# KiCad board TrialAO_1_ASM.kicad_pcb (continued)
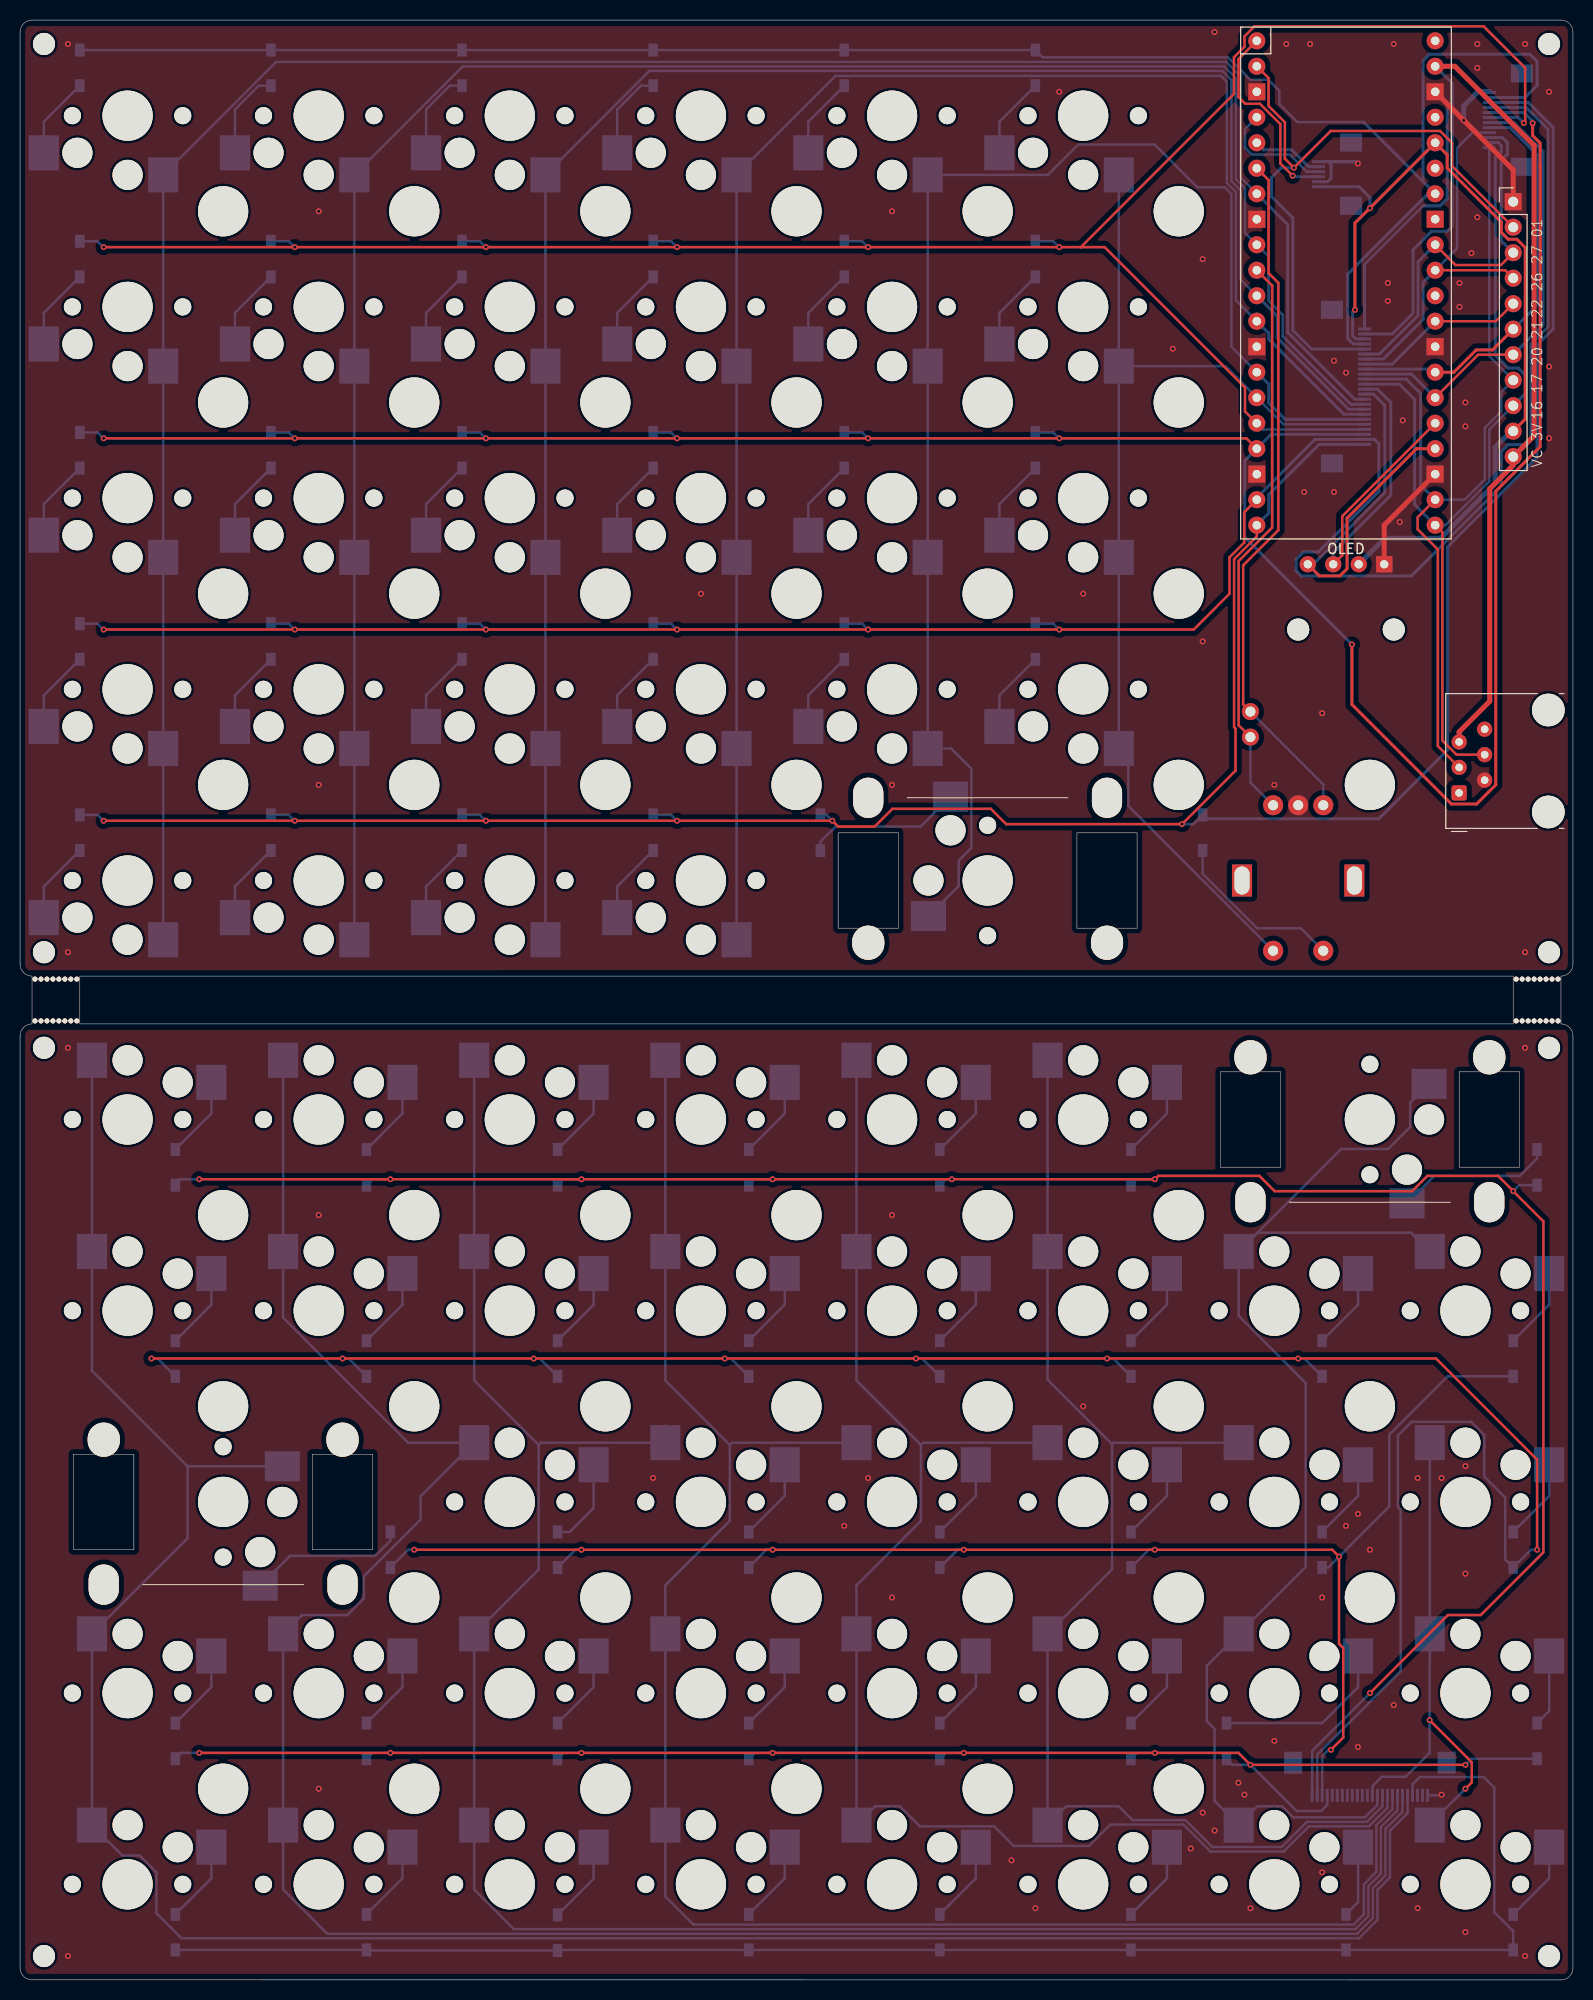
[diagram p0: board, top side]
## Footprints (pads in the part's own frame, mm; a bottom-side part is the same pattern mirrored in y, then rotated)
Diode_SMD
  rect 1.3x0.95 smd far side: 1(-1.775,0) 2(1.775,0)
Hirose_FH12-6S-0.5SH_1x06-1MP_P0.50mm_Horizontal
  rect 0.3x1.3 smd: 1(-1.25,1.85) 2(-0.75,1.85) 3(-0.25,1.85) 4(0.25,1.85) 5(0.75,1.85) 6(1.25,1.85)
  rect 1.8x2.2 smd: MP(-3.15,-1.4) MP(3.15,-1.4)
Hirose_FH12-12S-0.5SH_1x12-1MP_P0.50mm_Horizontal
  rect 1.8x2.2 smd: (-4.65,-1.4) (4.65,-1.4)
  rect 0.3x1.3 smd: 1(-2.75,1.85) 2(-2.25,1.85) 3(-1.75,1.85) 4(-1.25,1.85) 5(-0.75,1.85) 6(-0.25,1.85) 7(0.25,1.85) 8(0.75,1.85) 9(1.25,1.85) 10(1.75,1.85) 11(2.25,1.85) 12(2.75,1.85)
Hirose_FH12-24S-0.5SH_1x24-1MP_P0.50mm_Horizontal
  rect 0.3x1.3 smd: 1(-5.75,1.85) 2(-5.25,1.85) 3(-4.75,1.85) 4(-4.25,1.85) 5(-3.75,1.85) 6(-3.25,1.85) 7(-2.75,1.85) 8(-2.25,1.85) 9(-1.75,1.85) 10(-1.25,1.85) 11(-0.75,1.85) 12(-0.25,1.85) 13(0.25,1.85) 14(0.75,1.85) 15(1.25,1.85) 16(1.75,1.85) 17(2.25,1.85) 18(2.75,1.85) 19(3.25,1.85) 20(3.75,1.85) 21(4.25,1.85) 22(4.75,1.85) 23(5.25,1.85) 24(5.75,1.85)
  rect 1.8x2.2 smd: MP(-7.65,-1.4) MP(7.65,-1.4)
m2_Screw_Hole
  round 2.2 hole 2.2 unplated: (0,0)
OLED_center_display
  round 1.62 hole 0.82: 1(-3.81,-18.5) 2(-1.27,-18.5) 3(1.27,-18.5)
  rect 1.62x1.62 hole 0.82: 4(3.81,-18.5)
PinHeader_1x02_P2.54mm_Horizontal
  round 1.7 hole 1: 1(0,0) 2(0,-2.54)
PinHeader_1x11_P2.54mm_Vertical
  rect 1.7x1.7 hole 1: 1(0,0)
  round 1.7 hole 1: 2(0,-2.54) 3(0,-5.08) 4(0,-7.62) 5(0,-10.16) 6(0,-12.7) 7(0,-15.24) 8(0,-17.78) 9(0,-20.32) 10(0,-22.86) 11(0,-25.4)
RJ12_Amphenol_54601-x06_Horizontal
  round 3.25 hole 3.25 unplated: (-1.9,-8.89) (8.26,-8.89)
  rrect 1.52x1.52 hole 0.76: 1(0,0)
  round 1.52 hole 0.76: 2(1.27,-2.54) 3(2.54,0) 4(3.81,-2.54) 5(5.08,0) 6(6.35,-2.54)
rkd_5mmHole
  round 5 hole 5 unplated: (0,0)
rkd_Asm_ChocV1V2_Hotswap_1u_NM
  round 1.7 hole 1.7 unplated: (-5.5,0) (5.5,0)
  round 3 hole 3 unplated: (-5,-3.7) (0,-5.9)
  round 5 hole 5 unplated: (0,0)
  rect 3x3.5 smd far side: 1(-8.35,-3.7) 2(3.55,-5.9)
rkd_Asm_ChocV2_PCBMountStab_2uL
  oval 3.2x3.4 hole 3.2x3.4 unplated: (-11.9,6.2) (11.9,6.2)
  oval 3x4 hole 3x4 unplated: (-11.9,-8.24) (11.9,-8.24)
rkd_cutdot_no_edgecut
  round 0.5 hole 0.5 unplated: (-0.893,0) (-0.298,0) (0.297,0) (0.893,0)
rkd_Guard_Screw_Hall
  round 2.2 hole 2.2 unplated: (29.766,4.763) (29.766,-4.763)
rkd_RPi_Pico_TH_NODBG
  oval 1.7x1.7 hole 0.85: 1(-8.89,24.13) 2(-8.89,21.59) 4(-8.89,16.51) 5(-8.89,13.97) 6(-8.89,11.43) 7(-8.89,8.89) 9(-8.89,3.81) 10(-8.89,1.27) 11(-8.89,-1.27) 12(-8.89,-3.81) 14(-8.89,-8.89) 15(-8.89,-11.43) 16(-8.89,-13.97) 17(-8.89,-16.51) 19(-8.89,-21.59) 20(-8.89,-24.13) 21(8.89,-24.13) 22(8.89,-21.59) 24(8.89,-16.51) 25(8.89,-13.97) 26(8.89,-11.43) 27(8.89,-8.89) 29(8.89,-3.81) 30(8.89,-1.27) 31(8.89,1.27) 32(8.89,3.81) 34(8.89,8.89) 35(8.89,11.43) 36(8.89,13.97) 37(8.89,16.51) 39(8.89,21.59) 40(8.89,24.13)
  rect 1.7x1.7 hole 0.85: 3(-8.89,19.05) 8(-8.89,6.35) 13(-8.89,-6.35) 18(-8.89,-19.05) 23(8.89,-19.05) 28(8.89,-6.35) 33(8.89,6.35) 38(8.89,19.05)
RotaryEncoder_EC11-Switch
  round 2 hole 1: A(-2.5,-7.5) B(2.5,-7.5) C(0,-7.5) S1(-2.5,7) S2(2.5,7)
  rect 2x3.2 hole 1.5x2.8: MP(-5.6,0) MP(5.6,0)

## Nets
3v3_L: J1.22 J4.6 J23.10 OL1.3 U1.36
3v3_R: J2.22
GND_L: J1.24 J3.1 J4.1 J4.5 J23.1 J51.2 OL1.4 SW30.C U1.3 U1.8 U1.13 U1.18 U1.23 U1.28 U1.38
GND_R: J2.24
VCC_L: J1.23 J23.11 J51.5 U1.39
VCC_R: J2.23
COL0_L: J1.10 SW1.2 SW2.2 SW3.2 SW4.2 SW5.2 U1.7
COL1_L: J1.9 SW6.2 SW7.2 SW8.2 SW9.2 SW10.2 U1.9
COL2_L: J1.8 SW11.2 SW12.2 SW13.2 SW14.2 SW15.2 U1.11
COL3_L: J1.7 SW16.2 SW17.2 SW18.2 SW19.2 SW20.2 U1.12
COL4_L: J1.6 SW21.2 SW22.2 SW23.2 SW24.2 SW25.2 U1.14
COL5_L: J1.5 SW26.2 SW27.2 SW28.2 SW29.2 SW30.S2 U1.15
COL6_L: J1.13 J3.11 J23.9 J51.4 U1.21
COL6_R: J2.13 SW51.2 SW52.2 SW54.2
COL7_L: J1.14 J3.12 J23.8 J51.3 U1.22
COL7_R: J2.14 SW56.2 SW57.2 SW58.2 SW59.2 SW60.2
COL8_L: J1.15 J3.7 J23.7 U1.26
COL8_R: J2.15 SW61.2 SW62.2 SW63.2 SW64.2 SW65.2
COL9_L: J1.16 J3.8 J23.6 U1.27
COL9_R: J2.16 SW66.2 SW67.2 SW68.2 SW69.2 SW70.2
COL10_L: J1.17 J23.5 U1.29
COL10_R: J2.17 SW71.2 SW72.2 SW73.2 SW74.2 SW75.2
COL11_L: J1.18 J3.9 J23.4 U1.31
COL11_R: J2.18 SW76.2 SW77.2 SW78.2 SW79.2 SW80.2
COL12_L: J1.19 J3.10 J23.3 U1.32
COL12_R: J2.19 SW81.2 SW82.2 SW83.2 SW84.2 SW85.2
COL13_L: J1.20 J23.2 U1.2
COL13_R: J2.20 SW86.2 SW87.2 SW88.2 SW89.2 SW90.2
GP00_L: J4.4 U1.1
GP02_L: J4.3 U1.4
GP03_L: J4.2 U1.5
RE_A_L: J21.2 SW30.A U1.6
RE_B_L: J21.1 SW30.B U1.10
ROW0_L: D1.1 D6.1 D11.1 D16.1 D21.1 D26.1 J1.21 J3.2 U1.34
ROW0_R: D51.1 D56.1 D61.1 D66.1 D71.1 D76.1 D81.1 D86.1 J2.21
ROW1_L: D2.1 D7.1 D12.1 D17.1 D22.1 D27.1 J1.4 J3.6 U1.16
ROW1_R: D52.1 D57.1 D62.1 D67.1 D72.1 D77.1 D82.1 D87.1 J2.4
ROW2_L: D3.1 D8.1 D13.1 D18.1 D23.1 D28.1 J1.3 J3.5 U1.17
ROW2_R: D58.1 D63.1 D68.1 D73.1 D78.1 D83.1 D88.1 J2.3
ROW3_L: D4.1 D9.1 D14.1 D19.1 D24.1 D29.1 J1.2 J3.4 U1.19
ROW3_R: D54.1 D59.1 D64.1 D69.1 D74.1 D79.1 D84.1 D89.1 J2.2
ROW4_L: D5.1 D10.1 D15.1 D20.1 D25.1 D30.1 J1.1 J3.3 U1.20
ROW4_R: D60.1 D65.1 D70.1 D75.1 D80.1 D85.1 D90.1 J2.1
SCL/TX_L: J1.12 OL1.2 U1.25
SDA/SCK_L: J1.11 OL1.1 U1.24
Net-(D1-A): D1.2 SW1.1
Net-(D2-A): D2.2 SW2.1
Net-(D3-A): D3.2 SW3.1
Net-(D4-A): D4.2 SW4.1
Net-(D5-A): D5.2 SW5.1
Net-(D6-A): D6.2 SW6.1
Net-(D7-A): D7.2 SW7.1
Net-(D8-A): D8.2 SW8.1
Net-(D9-A): D9.2 SW9.1
Net-(D10-A): D10.2 SW10.1
Net-(D11-A): D11.2 SW11.1
Net-(D12-A): D12.2 SW12.1
Net-(D13-A): D13.2 SW13.1
Net-(D14-A): D14.2 SW14.1
Net-(D15-A): D15.2 SW15.1
Net-(D16-A): D16.2 SW16.1
Net-(D17-A): D17.2 SW17.1
Net-(D18-A): D18.2 SW18.1
Net-(D19-A): D19.2 SW19.1
Net-(D20-A): D20.2 SW20.1
Net-(D21-A): D21.2 SW21.1
Net-(D22-A): D22.2 SW22.1
Net-(D23-A): D23.2 SW23.1
Net-(D24-A): D24.2 SW24.1
Net-(D25-A): D25.2 SW25.1
Net-(D26-A): D26.2 SW26.1
Net-(D27-A): D27.2 SW27.1
Net-(D28-A): D28.2 SW28.1
Net-(D29-A): D29.2 SW29.1
Net-(D30-A): D30.2 SW30.S1
Net-(D51-A): D51.2 SW51.1
Net-(D52-A): D52.2 SW52.1
Net-(D54-A): D54.2 SW54.1
Net-(D56-A): D56.2 SW56.1
Net-(D57-A): D57.2 SW57.1
Net-(D58-A): D58.2 SW58.1
Net-(D59-A): D59.2 SW59.1
Net-(D60-A): D60.2 SW60.1
Net-(D61-A): D61.2 SW61.1
Net-(D62-A): D62.2 SW62.1
Net-(D63-A): D63.2 SW63.1
Net-(D64-A): D64.2 SW64.1
Net-(D65-A): D65.2 SW65.1
Net-(D66-A): D66.2 SW66.1
Net-(D67-A): D67.2 SW67.1
Net-(D68-A): D68.2 SW68.1
Net-(D69-A): D69.2 SW69.1
Net-(D70-A): D70.2 SW70.1
Net-(D71-A): D71.2 SW71.1
Net-(D72-A): D72.2 SW72.1
Net-(D73-A): D73.2 SW73.1
Net-(D74-A): D74.2 SW74.1
Net-(D75-A): D75.2 SW75.1
Net-(D76-A): D76.2 SW76.1
Net-(D77-A): D77.2 SW77.1
Net-(D78-A): D78.2 SW78.1
Net-(D79-A): D79.2 SW79.1
Net-(D80-A): D80.2 SW80.1
Net-(D81-A): D81.2 SW81.1
Net-(D82-A): D82.2 SW82.1
Net-(D83-A): D83.2 SW83.1
Net-(D84-A): D84.2 SW84.1
Net-(D85-A): D85.2 SW85.1
Net-(D86-A): D86.2 SW86.1
Net-(D87-A): D87.2 SW87.1
Net-(D88-A): D88.2 SW88.1
Net-(D89-A): D89.2 SW89.1
Net-(D90-A): D90.2 SW90.1

Pads without a net: J1 MP; J2 5 6 7 8 9 10 11 12 MP; J4 MP; J51 1 6; SW30 MP; U1 30 33 35 37 40

## Via types
v1: diameter 0.6, hole 0.3, Top to Bottom, 140 vias

## Routing (per net, layer and track width the routed paths; a pad name or vN(x,y) marks a point on that pad's centre or on a via; arc(x,y) is an arc through that point)
3v3_L: length 87.9
  Top w0.3: 148.28,153.76 J23.10 150.03,155.51 150.03,172.58 149.19,173.42 148.33,173.42 147.63,174.13 147.63,175.12 147.64,175.14 142.25,180.53 142.25,181.84 U1.36 133.05,175.04 v1(133.05,166.39)
  Bottom w0.3: v1(134.54,176.51) 134.54,177.59 133.47,178.66 J4.6 ; v1(133.05,166.39) 132.83,166.17 132.83,163.79 133.12,163.49 J1.22
  Bottom w0.5: J23.10 148.63,154.31 147.03,152.7 147.03,149.08 141.59,143.64 136.02,143.64 OL1.3
GND_L: length 70
  Top w0.5: J23.1 148.83,180.34 v1(143.9,185.27) U1.38 ; OL1.4 135.97,144.94 U1.23
  Bottom w0.25: 134.01,170.92 139.85,176.76
  Bottom w0.3: U1.38 142.25,186.92 142.25,177.46 141.55,176.76 139.85,176.76 ; 130.42,181.16 130.67,180.91 130.67,179.49 130.34,179.16 J4.5 ; 130.42,181.16 J4.1 133.17,181.16 ; 130.42,181.16 133.17,181.16 ; 133.17,181.16 v1(133.35,180.98) ; J1.24 134.01,170.92
  Bottom w0.5: 146.45,188.15 145.35,188.15 143.9,186.7 v1(143.9,185.27) ; U1.13 123.27,163.39
  vias: v1(4.76,192.88) v1(4.76,102.39) v1(29.77,176.21) v1(29.77,119.06) v1(67.87,138.11) v1(86.92,176.21) v1(86.92,119.06) v1(103.58,188.12) v1(105.97,138.11) v1(114.9,162.52) v1(117.87,171.45) v1(117.87,133.35) v1(119.06,194.07) v1(125.02,119.06) v1(126.21,192.88) v1(127.99,148.23) v1(128.59,192.88) v1(129.78,126.21) v1(130.97,161.33) v1(130.97,148.23) v1(132.16,160.14) v1(136.33,169.07) v1(136.33,167.28) v1(136.92,192.88) v1(137.52,145.26) v1(137.81,155.38) v1(143.47,169.06) v1(143.47,166.69) v1(144.07,157.16) v1(144.07,154.78) v1(144.66,172.05) v1(145.26,192.88) v1(145.26,190.5) v1(145.26,175.62) v1(150.02,192.88) v1(150.02,102.39) v1(152.4,188.12) v1(152.4,160.73) v1(152.4,153.59)
GND_R: length 1.4
  Bottom w0.25: J2.24 141.62,18.39 v1(141.68,18.45)
  vias: v1(4.76,92.87) v1(4.76,2.38) v1(29.77,76.2) v1(29.77,19.05) v1(63.1,50.01) v1(82.15,45.24) v1(84.53,50.01) v1(86.92,76.2) v1(86.92,38.1) v1(98.82,11.91) v1(101.2,7.14) v1(105.97,57.15) v1(116.68,13.1) v1(117.87,16.67) v1(119.06,14.88) v1(121.44,19.65) v1(122.04,18.45) v1(122.63,7.14) v1(125.02,23.81) v1(129.78,38.1) v1(129.78,10.72) v1(132.16,45.24) v1(133.35,46.43) v1(133.35,23.22) v1(134.54,42.86) v1(136.92,27.38) v1(139.3,50.01) v1(139.3,7.14) v1(141.68,50.01) v1(144.07,51.2) v1(144.07,40.48) v1(144.07,4.76) v1(150.02,92.87) v1(150.02,2.38)
VCC_L: length 109.7
  Top w0.5: J23.11 148.83,152.32 ; J23.11 150.91,153.85 150.91,182.76 143.01,190.66 U1.39 ; J23.11 148.83,150.92 146.49,148.58 146.49,127.4 143.44,124.35 J51.5
  Bottom w0.3: U1.39 142.75,188.96 142.75,174.72 142.25,174.22 140.69,174.22 138.85,172.37 138.85,166.05 136.79,163.99 J1.23
COL0_L: length 226.7
  Bottom w0.25: U1.7 121.64,179.59 121.64,189.66 120.21,191.1 25.52,191.1 SW1.2 SW5.2
  Bottom w0.3: J1.10 133.02,157.49 126.35,164.16 126.35,174.87 U1.7
COL1_L: length 208.2
  Bottom w0.25: U1.9 122.09,174.05 122.09,178.5 121.19,179.4 121.19,189.48 120.02,190.64 44.12,190.64 SW6.2 SW10.2 ; U1.9 124.45,171.7 124.45,167.3 125.85,165.89 125.85,163.77 ; U1.9 123.66,173.27
  Bottom w0.3: J1.9 132.63,156.99 125.85,163.77
COL2_L: length 189.7
  Bottom w0.25: U1.11 121.64,169.43 121.64,178.31 120.74,179.21 120.74,189.29 119.84,190.19 62.72,190.19 SW11.2 SW15.2 ; U1.11 122.63,167.8 ; U1.11 123.27,168.44
  Bottom w0.3: U1.11 125.31,165.75 125.31,163.6 132.42,156.49 J1.8
COL3_L: length 171.5
  Bottom w0.25: SW20.2 SW16.2 81.28,189.7 119.69,189.7 120.29,189.1 120.29,179.03 121.19,178.12 121.19,167.34 U1.12 ; U1.12 123.27,164.97 ; U1.12 123.27,165.9 ; U1.12 123.27,166.05
  Bottom w0.3: J1.7 131.96,155.99 124.47,163.48 124.47,164.06 U1.12 123.27,164.93
COL4_L: length 144.9
  Bottom w0.25: U1.14 120.74,162.71 120.74,177.94 120.08,178.59 117.34,178.59 113.08,182.86 105.47,182.86 102.45,179.84 SW21.2 SW24.2 92.82,122.69 94.82,120.69 94.82,112.78 93.56,111.53 93.56,109.01 SW25.2
  Bottom w0.3: U1.14 124.47,158.98 124.47,157.11 126.09,155.49 J1.6
COL5_L: length 110.8
  Bottom w0.25: J1.5 125.92,154.99 U1.15 120.12,160.79 SW27.2 ; SW26.2 SW29.2 110.47,121.74 110.47,116.97 SW30.S2 124.75,102.39
COL6_L: length 91.1
  Top w0.25: U1.21 141.77,144.22 141.77,123.48 143.17,122.07 J51.4
  Bottom w0.25: J23.9 146.45,154.47 146.45,149.31 142.07,144.94 U1.21
  Bottom w0.3: J3.11 147.35,183.05 147.64,182.76 147.64,182.17 147.04,181.57 147.04,161.87 148.33,160.59 149.33,160.59 150.03,159.88 150.03,158.05 J23.9 ; U1.21 139.01,146.98 139.01,157.46 137.48,158.99 J1.13
COL6_R: length 52.9
  Top w0.25: v1(140.49,25.89) 144.69,21.69 144.69,19.68 v1(144.07,19.05)
  Bottom w0.25: v1(140.49,25.89) 140.52,25.91 ; v1(140.49,25.89) 140.49,22.62 138.11,20.24 135.73,20.24 134.82,19.33 134.82,18.39 J2.13 ; v1(140.49,25.89) 140.49,31.25 140.52,31.28 SW52.2 SW54.2 ; SW51.2 140.52,15.5 v1(144.07,19.05)
COL7_L: length 87.5
  Top w0.25: U1.22 139.3,145.73 139.3,144.53 141.32,142.51 141.32,122.92 J51.3
  Bottom w0.25: U1.22 143.98,147.48 146,149.5 146,154.65 147.64,156.29 147.64,158.19 J23.8 146.45,161.77 J3.12
  Bottom w0.3: U1.22 139.6,148.93 139.6,158.06 138.17,159.49 J1.14
COL7_R: length 129.7
  Bottom w0.25: SW59.2 121.47,66.16 128.14,59.48 128.14,41.15 SW57.2 118.29,31.3 118.29,25.78 119.06,25 119.06,17.83 SW56.2 123.34,17.3 125.79,17.3 126.89,16.2 134.05,16.2 134.82,16.97 134.82,16.97 135.29,17.44 J2.14 ; SW59.2 123.34,74.45 138.64,74.45 SW58.2 ; SW59.2 131.68,82.79 136.36,82.79 138.56,84.99 138.56,87.4 SW60.2
COL8_L: length 45.6
  Top w0.25: J23.7 145.34,161.92 U1.26
  Bottom w0.3: J1.15 138.7,159.99 U1.26 ; J23.7 151.8,164.9 151.8,182.17 148.92,185.05 J3.7
COL8_R: length 132.8
  Bottom w0.25: SW63.2 108.98,53.52 108.84,53.39 ; 108.84,53.39 108.83,53.39 102.42,59.81 SW64.2 SW65.2 ; 108.84,53.39 108.84,40.9 SW62.2 SW61.2 104.29,17.3 109.51,17.3 110.88,15.93 116.15,15.93 118.84,13.24 125.76,13.24 128.26,15.75 134.24,15.75 135.79,17.3 J2.15
COL9_L: length 41
  Top w0.3: U1.27 142.84,160.18 142.88,160.14 145.14,162.4 146.76,162.4 J23.6
  Bottom w0.3: J1.16 140.74,160.49 U1.27 ; J3.8 148.5,184.55 151.21,181.84 151.21,166.85 J23.6
COL9_R: length 154.6
  Bottom w0.25: 89.79,53.3 90.01,53.52 SW68.2 ; 89.79,53.3 83.37,59.73 SW69.2 SW70.2 ; 89.79,53.3 89.79,45.74 83.37,39.31 SW67.2 SW66.2 85.24,17.3 87.69,17.3 89.69,15.3 97.09,15.3 99.04,13.35 106.54,13.35 108.67,15.48 115.96,15.48 118.65,12.79 125.91,12.79 ; 125.94,12.79 125.91,12.79 ; 125.91,12.79 125.94,12.79 128.45,15.3 134.43,15.3 136.29,17.16 136.29,17.16 J2.16
COL10_L: length 17.3
  Top w0.25: U1.29 147.08,165.26 J23.5
  Bottom w0.3: U1.29 136.78,160.99 J1.17
COL10_R: length 185.6
  Bottom w0.25: 70.74,53.3 64.32,59.73 SW74.2 SW75.2 ; 70.74,53.3 70.96,53.52 SW73.2 ; 70.74,53.3 70.74,45.74 64.32,39.31 SW72.2 SW71.2 64.32,8.31 67.12,5.51 132.91,5.51 133.95,6.55 133.95,9.52 135.19,10.77 135.19,15.42 135.19,15.42 136.79,17.03 J2.17
COL11_L: length 37.9
  Top w0.25: J23.4 148.03,170.34 U1.31
  Bottom w0.25: U1.31 143.23,172.52 143.23,182.52 144.76,184.05 J3.9
  Bottom w0.3: J1.18 135.89,161.49 139.85,165.45 139.85,169.14 U1.31
COL11_R: length 206.9
  Bottom w0.25: 51.69,53.3 51.69,40.9 SW77.2 SW76.2 45.27,9.01 49.21,5.06 133.1,5.06 134.4,6.36 134.4,9.34 135.64,10.58 135.64,15.24 137.29,16.89 J2.18 ; 51.69,53.3 51.91,53.52 SW78.2 64.32,55.24 ; 51.69,53.3 45.27,59.73 SW79.2 SW80.2
COL12_L: length 37.5
  Top w0.25: U1.32 143.07,170.85 147.6,170.85 J23.3
  Bottom w0.3: U1.32 139.35,171.18 139.35,165.84 135.5,161.99 J1.19 ; J3.10 147.74,183.55 148.25,183.05 148.25,181.9 147.63,181.28 147.63,173.29 J23.3
COL12_R: length 229.5
  Bottom w0.25: SW85.2 SW84.2 26.22,65.99 38.68,53.52 SW83.2 39.92,48.18 39.92,45.87 34.27,40.22 34.27,38 32.61,36.35 28.09,36.35 SW82.2 SW81.2 26.22,9.01 30.62,4.6 133.27,4.6 134.85,6.17 134.85,9.15 136.09,10.4 136.09,15.05 137.79,16.75 J2.19
COL13_L: length 67.1
  Top w0.25: v1(126.97,180.55) 126.84,180.55 ; v1(126.97,180.55) 126.07,181.45 126.07,185.08 124.45,186.7 124.45,189.48 U1.2 ; v1(126.97,180.55) 130.64,184.21 141.54,184.21 142.73,183.02 142.73,180.73 J23.2
  Bottom w0.3: v1(126.97,180.55) 125.7,180.55 124.72,179.56 124.72,177.7 126.86,175.56 126.86,164.36 128.73,162.49 J1.20
COL13_R: length 243.1
  Bottom w0.25: J2.20 138.29,16.61 136.54,14.87 136.54,10.21 135.3,8.96 135.3,5.99 133.46,4.15 16.09,4.15 13.59,6.65 13.59,10.72 11.91,12.4 10.19,12.4 SW86.2 SW87.2 16.69,44 16.69,51.17 ; 16.69,51.17 7.17,60.7 SW89.2 SW90.2 ; 16.69,51.17 SW88.2
GP00_L: length 20.2
  Top w0.25: U1.1 121.44,191.37 121.44,187.59 122.11,186.93 123.58,186.93 125.62,184.89 125.62,180.97 125.63,180.97 v1(126.84,179.76)
  Bottom w0.25: 123.51,193.2 U1.1
  Bottom w0.3: v1(126.84,179.76) 126.94,179.66 J4.4
GP02_L: length 12.7
  Bottom w0.25: U1.4 123.11,185.74 ; U1.4 122.09,184.4 122.09,182.55 122.78,181.86 126.54,181.86 128.24,180.16 J4.3 ; U1.4 123.91,185.58
GP03_L: length 7.1
  Bottom w0.3: J4.2 128.42,180.66 126.74,182.34 123.97,182.34 U1.5
RE_A_L: length 69.1
  Top w0.25: U1.6 124.45,179.32 124.45,170.05 125.42,169.07 125.42,144.45 121.91,140.93 121.91,127.09 J21.2
  Bottom w0.25: J21.2 129.9,119.1 SW30.A
RE_B_L: length 56.7
  Top w0.25: J21.1 121.46,125 121.46,141.37 124.8,144.71 124.8,168.81 U1.10
  Bottom w0.25: SW30.B 122.63,119.3 J21.1
ROW0_L: length 193.8
  Bottom w0.25: D1.1 D26.1 101.93,191.55 120.4,191.55 122.63,189.31 124.42,189.31 125.52,188.21 125.52,186.88 127.3,185.1 133.91,185.1
  Bottom w0.3: J1.21 132.88,162.99 132.33,163.54 132.33,169.95 140.34,177.96 U1.34 139.85,179.16 ; 139.85,179.16 133.91,185.1 ; 139.85,179.16 139.85,191.22 140.48,191.86 150.49,191.86 151.21,191.14 151.21,188.76 150,187.55 J3.2
ROW0_R: length 160.3
  Bottom w0.25: D86.1 D81.1 34.58,2.94 D76.1 53.63,2.99 D71.1 D66.1 D61.1 D56.1 D51.1 148.83,4.87 146.94,6.75 146.94,19.15 145.88,20.22 139.51,20.22 138.79,19.5 J2.21
ROW1_L: length 217.2
  Top w0.25: v1(8.33,172.64) v1(27.38,172.64) v1(46.43,172.64) v1(65.48,172.64) v1(84.53,172.64) v1(103.58,172.64) 105.73,172.64 ; 105.73,172.64 120.99,187.91 120.99,191.56 122.04,192.61 122.04,193.63 123.04,194.64 145.88,194.64 150.02,190.5 150.02,185.14 v1(149.88,185.01) ; 105.73,172.64 108.11,172.64 122.09,158.66 122.09,156.27 U1.16
  Bottom w0.25: v1(103.58,172.64) 103.56,172.64 102.98,173.22 D27.1 ; v1(8.33,172.64) 8.31,172.64 7.73,173.22 D2.1 ; v1(46.43,172.64) 46.41,172.64 45.83,173.22 D12.1 ; D22.1 83.93,173.22 84.51,172.64 v1(84.53,172.64) ; U1.16 123.9,154.47 133.82,154.47 ; D17.1 64.88,173.22 65.46,172.64 v1(65.48,172.64) ; v1(27.38,172.64) 27.36,172.64 26.78,173.22 D7.1
  Bottom w0.3: J3.6 149.34,185.55 v1(149.88,185.01)
ROW1_R: length 163.2
  Top w0.25: v1(144.07,21.43) v1(122.63,21.43) 121.44,22.62 v1(113.11,22.62) v1(94.06,22.62) v1(75.01,22.62) v1(55.96,22.62) v1(36.91,22.62) v1(17.86,22.62)
  Bottom w0.25: D62.1 111.31,22.62 v1(113.11,22.62) ; v1(17.86,22.62) 16.06,22.62 D87.1 ; v1(75.01,22.62) 73.21,22.62 D72.1 ; v1(94.06,22.62) 92.26,22.62 D67.1 ; v1(55.96,22.62) 54.16,22.62 D77.1 ; D82.1 35.11,22.62 v1(36.91,22.62) ; J2.4 130.29,17.44 129.68,16.83 127.23,16.83 v1(122.63,21.43) 120.86,21.43 D57.1 ; v1(144.07,21.43) 144.67,22.04 D52.1
ROW2_L: length 265.2
  Top w0.25: U1.17 122.24,153.59 v1(103.58,153.59) v1(84.53,153.59) v1(65.48,153.59) v1(46.43,153.59) v1(27.38,153.59) v1(8.33,153.59)
  Top w0.3: v1(150.76,184.99) 150.76,183.76 151.51,183.01 151.51,180.67 151.51,180.67 151.51,152.75 147.09,148.33 147.09,119.07 145.17,117.15 142.67,117.15 132.75,127.07 v1(132.75,133.05)
  Bottom w0.25: v1(27.38,153.59) 27.36,153.59 26.78,154.17 D8.1 ; D23.1 83.93,154.17 84.51,153.59 v1(84.53,153.59) ; v1(65.48,153.59) 65.46,153.59 64.88,154.17 D18.1 ; D3.1 7.73,154.17 8.31,153.59 v1(8.33,153.59) ; v1(103.58,153.59) 103.56,153.59 102.98,154.17 D28.1 ; U1.17 123.42,152.41 ; D13.1 45.83,154.17 46.41,153.59 v1(46.43,153.59)
  Bottom w0.3: J1.3 124.7,153.99 U1.17 122.07,151.36 122.07,143.74 v1(132.75,133.05) ; J3.5 149.92,186.05 150.76,185.2 v1(150.76,184.99)
ROW2_R: length 164.1
  Top w0.25: v1(130.66,22.93) 131.89,24.16 131.89,33.05 131.47,33.48 v1(131.47,42.17) 130.78,42.86 v1(113.11,42.86) v1(94.06,42.86) v1(75.01,42.86) v1(55.96,42.86) v1(39.29,42.86)
  Bottom w0.25: D78.1 74.4,42.86 v1(75.01,42.86) ; v1(94.06,42.86) 93.45,42.86 D73.1 ; v1(39.29,42.86) 38.68,42.86 D88.1 ; v1(113.11,42.86) 112.5,42.86 D68.1 ; D63.1 130.38,41.09 v1(131.47,42.17) 136.47,47.17 136.47,54.32 142.29,60.14 D58.1 ; v1(130.66,22.93) 130.42,22.93 129.79,22.3 J2.3 ; D83.1 55.35,42.86 v1(55.96,42.86)
ROW3_L: length 241.4
  Top w0.25: U1.19 122.01,146.22 122.01,143.2 120.56,141.74 120.56,138.11 116.98,134.54 v1(103.58,134.54) v1(84.53,134.54) v1(65.48,134.54) v1(46.43,134.54) v1(27.38,134.54) v1(8.33,134.54)
  Bottom w0.25: D14.1 45.83,135.13 46.41,134.54 v1(46.43,134.54) ; D9.1 26.78,135.13 27.36,134.54 v1(27.38,134.54) ; D29.1 102.98,135.13 103.56,134.54 v1(103.58,134.54) ; D4.1 7.73,135.12 8.31,134.54 v1(8.33,134.54) ; v1(65.48,134.54) 65.46,134.54 64.88,135.13 D19.1 ; D24.1 83.93,135.13 84.51,134.54 v1(84.53,134.54)
  Bottom w0.3: J3.4 150.13,186.55 152.31,184.37 152.31,164.69 150.61,163 150.61,153.56 150.02,152.97 148.33,152.97 147.63,152.26 147.63,148.85 147.64,148.84 138.68,139.88 127.69,139.88 127.19,140.39 127.19,141.52 127.94,142.28 129.42,142.28 135.43,148.29 135.43,153.07 135.01,153.49 J1.2 129.08,153.49 123.27,147.68 U1.19
ROW3_R: length 239.7
  Top w0.25: v1(151.21,42.86) 151.21,51.83 141.13,61.91 v1(127.4,61.91) v1(108.35,61.91) v1(89.3,61.91) v1(70.25,61.91) v1(51.2,61.91) v1(32.15,61.91) v1(13.1,61.91)
  Bottom w0.25: J2.2 129.29,22.44 137.61,30.76 137.61,46.84 137.34,47.12 137.34,54.25 138.69,55.6 144.64,55.6 145.94,54.3 145.94,50.15 148.03,48.06 148.03,41.89 D54.1 150.6,42.86 v1(151.21,42.86) ; v1(70.25,61.91) 70.85,61.91 D74.1 ; v1(108.35,61.91) 108.95,61.91 D64.1 ; D84.1 32.75,61.91 v1(32.15,61.91) ; D79.1 51.8,61.91 v1(51.2,61.91) ; v1(127.4,61.91) 128,61.91 D59.1 ; v1(13.1,61.91) 13.7,61.91 D89.1 ; D69.1 89.9,61.91 v1(89.3,61.91)
ROW4_L: length 273.4
  Top w0.25: U1.20 123.27,143.81 121.01,141.55 121.01,124.81 121.15,124.68 121.15,120.48 v1(115.81,115.15) 98.29,115.15 96.76,116.68 86.95,116.68 85.18,114.91 81.54,114.91 v1(80.96,115.49) v1(65.48,115.49) v1(46.43,115.49) v1(27.38,115.49) v1(8.33,115.49)
  Bottom w0.25: D5.1 7.73,116.07 8.31,115.49 v1(8.33,115.49) ; v1(46.43,115.49) 46.41,115.49 45.83,116.07 D15.1 ; v1(27.38,115.49) 27.36,115.49 26.78,116.07 D10.1 ; v1(65.48,115.49) 65.46,115.49 64.88,116.07 D20.1 ; D25.1 80.38,116.07 v1(80.96,115.49) ; D30.1 116.95,115.15 v1(115.81,115.15)
  Bottom w0.3: 123.27,145.59 U1.20 124.47,146.14 124.47,147.99 129.47,152.99 J1.1 ; D30.1 118.26,115.69 135.44,115.69 142.29,122.54 142.29,142.78 151.21,151.7 151.21,162.89 152.81,164.49 152.81,184.58 150.34,187.05 J3.3
ROW4_R: length 223.1
  Top w0.25: v1(17.86,79.77) v1(36.91,79.77) v1(55.96,79.77) v1(75.01,79.77) v1(92.87,79.77) v1(113.11,79.77) 113.45,80.11 123.52,80.11 125.05,78.58 138.75,78.58 140.28,80.11 147.32,80.11 148.83,78.6 v1(148.83,78.58) 151.84,75.57 151.84,42.6 145.58,36.35 142.32,36.35 v1(134.54,28.57)
  Bottom w0.25: J2.1 128.79,22.82 v1(134.54,28.57) ; v1(36.91,79.77) 35.11,79.77 D85.1 ; D65.1 111.31,79.77 v1(113.11,79.77) ; D60.1 149.43,79.19 v1(148.83,78.58) ; D80.1 54.16,79.77 v1(55.96,79.77) ; D70.1 92.26,79.77 v1(92.87,79.77) ; D75.1 73.21,79.77 v1(75.01,79.77) ; v1(17.86,79.77) 16.06,79.77 D90.1
SCL/TX_L: length 40.4
  Top w0.25: OL1.2 131.79,141.95 131.79,145.84 U1.25
  Bottom w0.25: OL1.2 130.89,141.51
  Bottom w0.3: OL1.2 130.89,142.2 136.62,147.94 136.62,157.16 135.3,158.49 J1.12
SDA/SCK_L: length 43.7
  Top w0.3: OL1.1 129.51,139.88 131.55,139.88 132.27,140.6 132.27,145.64 139.18,152.56 U1.24 141.05,153.03
  Bottom w0.3: OL1.1 128.89,141.04 136.03,148.18 136.03,156.86 134.9,157.99 J1.11
Net-(D1-A): length 8.2
  Bottom w0.25: SW1.1 2.37,185.14 D1.2
Net-(D2-A): length 8.2
  Bottom w0.25: SW2.1 2.37,166.09 D2.2
Net-(D3-A): length 8.2
  Bottom w0.25: SW3.1 2.37,147.04 D3.2
Net-(D4-A): length 8.2
  Bottom w0.25: D4.2 2.37,127.99 SW4.1
Net-(D5-A): length 8.2
  Bottom w0.25: D5.2 2.37,108.94 SW5.1
Net-(D6-A): length 8.9
  Bottom w0.25: D6.2 23.79,188.72 21.42,186.35 SW6.1
Net-(D7-A): length 8.2
  Bottom w0.25: D7.2 21.42,166.09 SW7.1
Net-(D8-A): length 8.2
  Bottom w0.25: SW8.1 21.42,147.04 D8.2
Net-(D9-A): length 8.2
  Bottom w0.25: D9.2 21.42,127.99 SW9.1
Net-(D10-A): length 8.2
  Bottom w0.25: D10.2 21.42,108.94 SW10.1
Net-(D11-A): length 8.9
  Bottom w0.25: SW11.1 40.47,186.35 42.84,188.72 D11.2
Net-(D12-A): length 8.2
  Bottom w0.25: SW12.1 40.47,166.09 D12.2
Net-(D13-A): length 8.2
  Bottom w0.25: D13.2 40.47,147.04 SW13.1
Net-(D14-A): length 8.2
  Bottom w0.25: D14.2 40.47,127.99 SW14.1
Net-(D15-A): length 8.2
  Bottom w0.25: SW15.1 40.47,108.94 D15.2
Net-(D16-A): length 8.9
  Bottom w0.25: D16.2 61.89,188.72 59.52,186.35 SW16.1
Net-(D17-A): length 8.2
  Bottom w0.25: D17.2 59.52,166.09 SW17.1
Net-(D18-A): length 8.2
  Bottom w0.25: D18.2 59.52,147.04 SW18.1
Net-(D19-A): length 8.2
  Bottom w0.25: SW19.1 59.52,127.99 D19.2
Net-(D20-A): length 8.2
  Bottom w0.25: D20.2 59.52,108.94 SW20.1
Net-(D21-A): length 8.2
  Bottom w0.25: SW21.1 78.57,185.14 D21.2
Net-(D22-A): length 8.2
  Bottom w0.25: D22.2 78.57,166.09 SW22.1
Net-(D23-A): length 8.2
  Bottom w0.25: D23.2 78.57,147.04 SW23.1
Net-(D24-A): length 8.2
  Bottom w0.25: D24.2 78.57,127.99 SW24.1
Net-(D25-A): length 15.7
  Bottom w0.25: D25.2 79.77,113.4 81.28,114.91 89.77,114.91 SW25.1
Net-(D26-A): length 8.2
  Bottom w0.25: D26.2 97.62,185.14 SW26.1
Net-(D27-A): length 8.2
  Bottom w0.25: D27.2 97.62,166.09 SW27.1
Net-(D28-A): length 8.2
  Bottom w0.25: D28.2 97.62,147.04 SW28.1
Net-(D29-A): length 8.2
  Bottom w0.25: D29.2 97.62,127.99 SW29.1
Net-(D30-A): length 17.5
  Bottom w0.25: D30.2 117.87,110.21 123.31,104.77 127.66,104.77 SW30.S1
Net-(D51-A): length 8.2
  Bottom w0.25: D51.2 152.42,10.12 SW51.1
Net-(D52-A): length 7.2
  Bottom w0.25: D52.2 152.42,26.79 SW52.1
Net-(D54-A): length 8.2
  Bottom w0.25: SW54.1 152.42,48.22 D54.2
Net-(D56-A): length 7.2
  Bottom w0.25: D56.2 133.37,7.74 SW56.1
Net-(D57-A): length 17.7
  Bottom w0.25: SW57.1 133.37,29.17 129.78,25.59 D57.2
Net-(D58-A): length 8.2
  Bottom w0.25: D58.2 152.42,67.27 SW58.1
Net-(D59-A): length 8.2
  Bottom w0.25: D59.2 133.37,67.27 SW59.1
Net-(D60-A): length 15.7
  Bottom w0.25: D60.2 151.21,81.84 149.48,80.11 140.98,80.11 SW60.1
Net-(D61-A): length 8.2
  Bottom w0.25: D61.2 114.32,10.12 SW61.1
Net-(D62-A): length 8.2
  Bottom w0.25: D62.2 114.32,29.17 SW62.1
Net-(D63-A): length 8.2
  Bottom w0.25: D63.2 133.37,48.22 SW63.1
Net-(D64-A): length 8.2
  Bottom w0.25: SW64.1 114.32,67.27 D64.2
Net-(D65-A): length 8.2
  Bottom w0.25: SW65.1 114.32,86.32 D65.2
Net-(D66-A): length 8.2
  Bottom w0.25: SW66.1 95.27,10.12 D66.2
Net-(D67-A): length 8.2
  Bottom w0.25: D67.2 95.27,29.17 SW67.1
Net-(D68-A): length 8.2
  Bottom w0.25: SW68.1 114.32,48.22 D68.2
Net-(D69-A): length 8.2
  Bottom w0.25: D69.2 95.27,67.27 SW69.1
Net-(D70-A): length 8.2
  Bottom w0.25: D70.2 95.27,86.32 SW70.1
Net-(D71-A): length 8.2
  Bottom w0.25: D71.2 76.22,10.12 SW71.1
Net-(D72-A): length 8.2
  Bottom w0.25: D72.2 76.22,29.17 SW72.1
Net-(D73-A): length 8.2
  Bottom w0.25: SW73.1 95.27,48.22 D73.2
Net-(D74-A): length 8.2
  Bottom w0.25: SW74.1 76.22,67.27 D74.2
Net-(D75-A): length 8.2
  Bottom w0.25: SW75.1 76.22,86.32 D75.2
Net-(D76-A): length 8.2
  Bottom w0.25: SW76.1 57.17,10.07 D76.2
Net-(D77-A): length 8.2
  Bottom w0.25: D77.2 57.17,29.17 SW77.1
Net-(D78-A): length 8.2
  Bottom w0.25: SW78.1 76.22,48.22 D78.2
Net-(D79-A): length 8.2
  Bottom w0.25: SW79.1 57.17,67.27 D79.2
Net-(D80-A): length 8.2
  Bottom w0.25: SW80.1 57.17,86.32 D80.2
Net-(D81-A): length 8.2
  Bottom w0.25: SW81.1 38.12,10.12 D81.2
Net-(D82-A): length 8.2
  Bottom w0.25: D82.2 38.12,29.17 SW82.1
Net-(D83-A): length 8.9
  Bottom w0.25: D83.2 54.79,44.64 57.17,47.01 SW83.1
Net-(D84-A): length 8.2
  Bottom w0.25: SW84.1 38.12,67.27 D84.2
Net-(D85-A): length 8.2
  Bottom w0.25: D85.2 38.12,86.32 SW85.1
Net-(D86-A): length 8.2
  Bottom w0.25: D86.2 19.07,10.12 SW86.1
Net-(D87-A): length 8.2
  Bottom w0.25: D87.2 19.07,29.17 SW87.1
Net-(D88-A): length 15.7
  Bottom w0.25: SW88.1 26.91,42.25 35.4,42.25 36.91,43.76 D88.2
Net-(D89-A): length 8.2
  Bottom w0.25: SW89.1 19.07,67.27 D89.2
Net-(D90-A): length 8.2
  Bottom w0.25: D90.2 19.07,86.32 SW90.1

## Copper pours and planes (outline as drawn; the poured copper is in the pictures)
GND_L on Top, Bottom: -1.19,194.67 -1.19,100.6 155.98,100.62 155.97,194.67
GND_R on Top, Bottom: -1.19,94.65 -1.19,0.6 155.97,0.6 155.97,94.65

## Text on the board
B.Silkscreen: TRIAL_AO_L_v1.0 | RE_B | RE_A | GND / VCC / 3V3 | JLCJLCJLC | TRIAL_AO_R_v1.0
User.Comments: Pico | OLED
F.Fab: Ref**
F.Silkscreen: 27 01 | 22 26 | 20 21 | 16 17 | VC 3V
